# KiCad board RadCheck-SDRAM.kicad_pcb (continued)
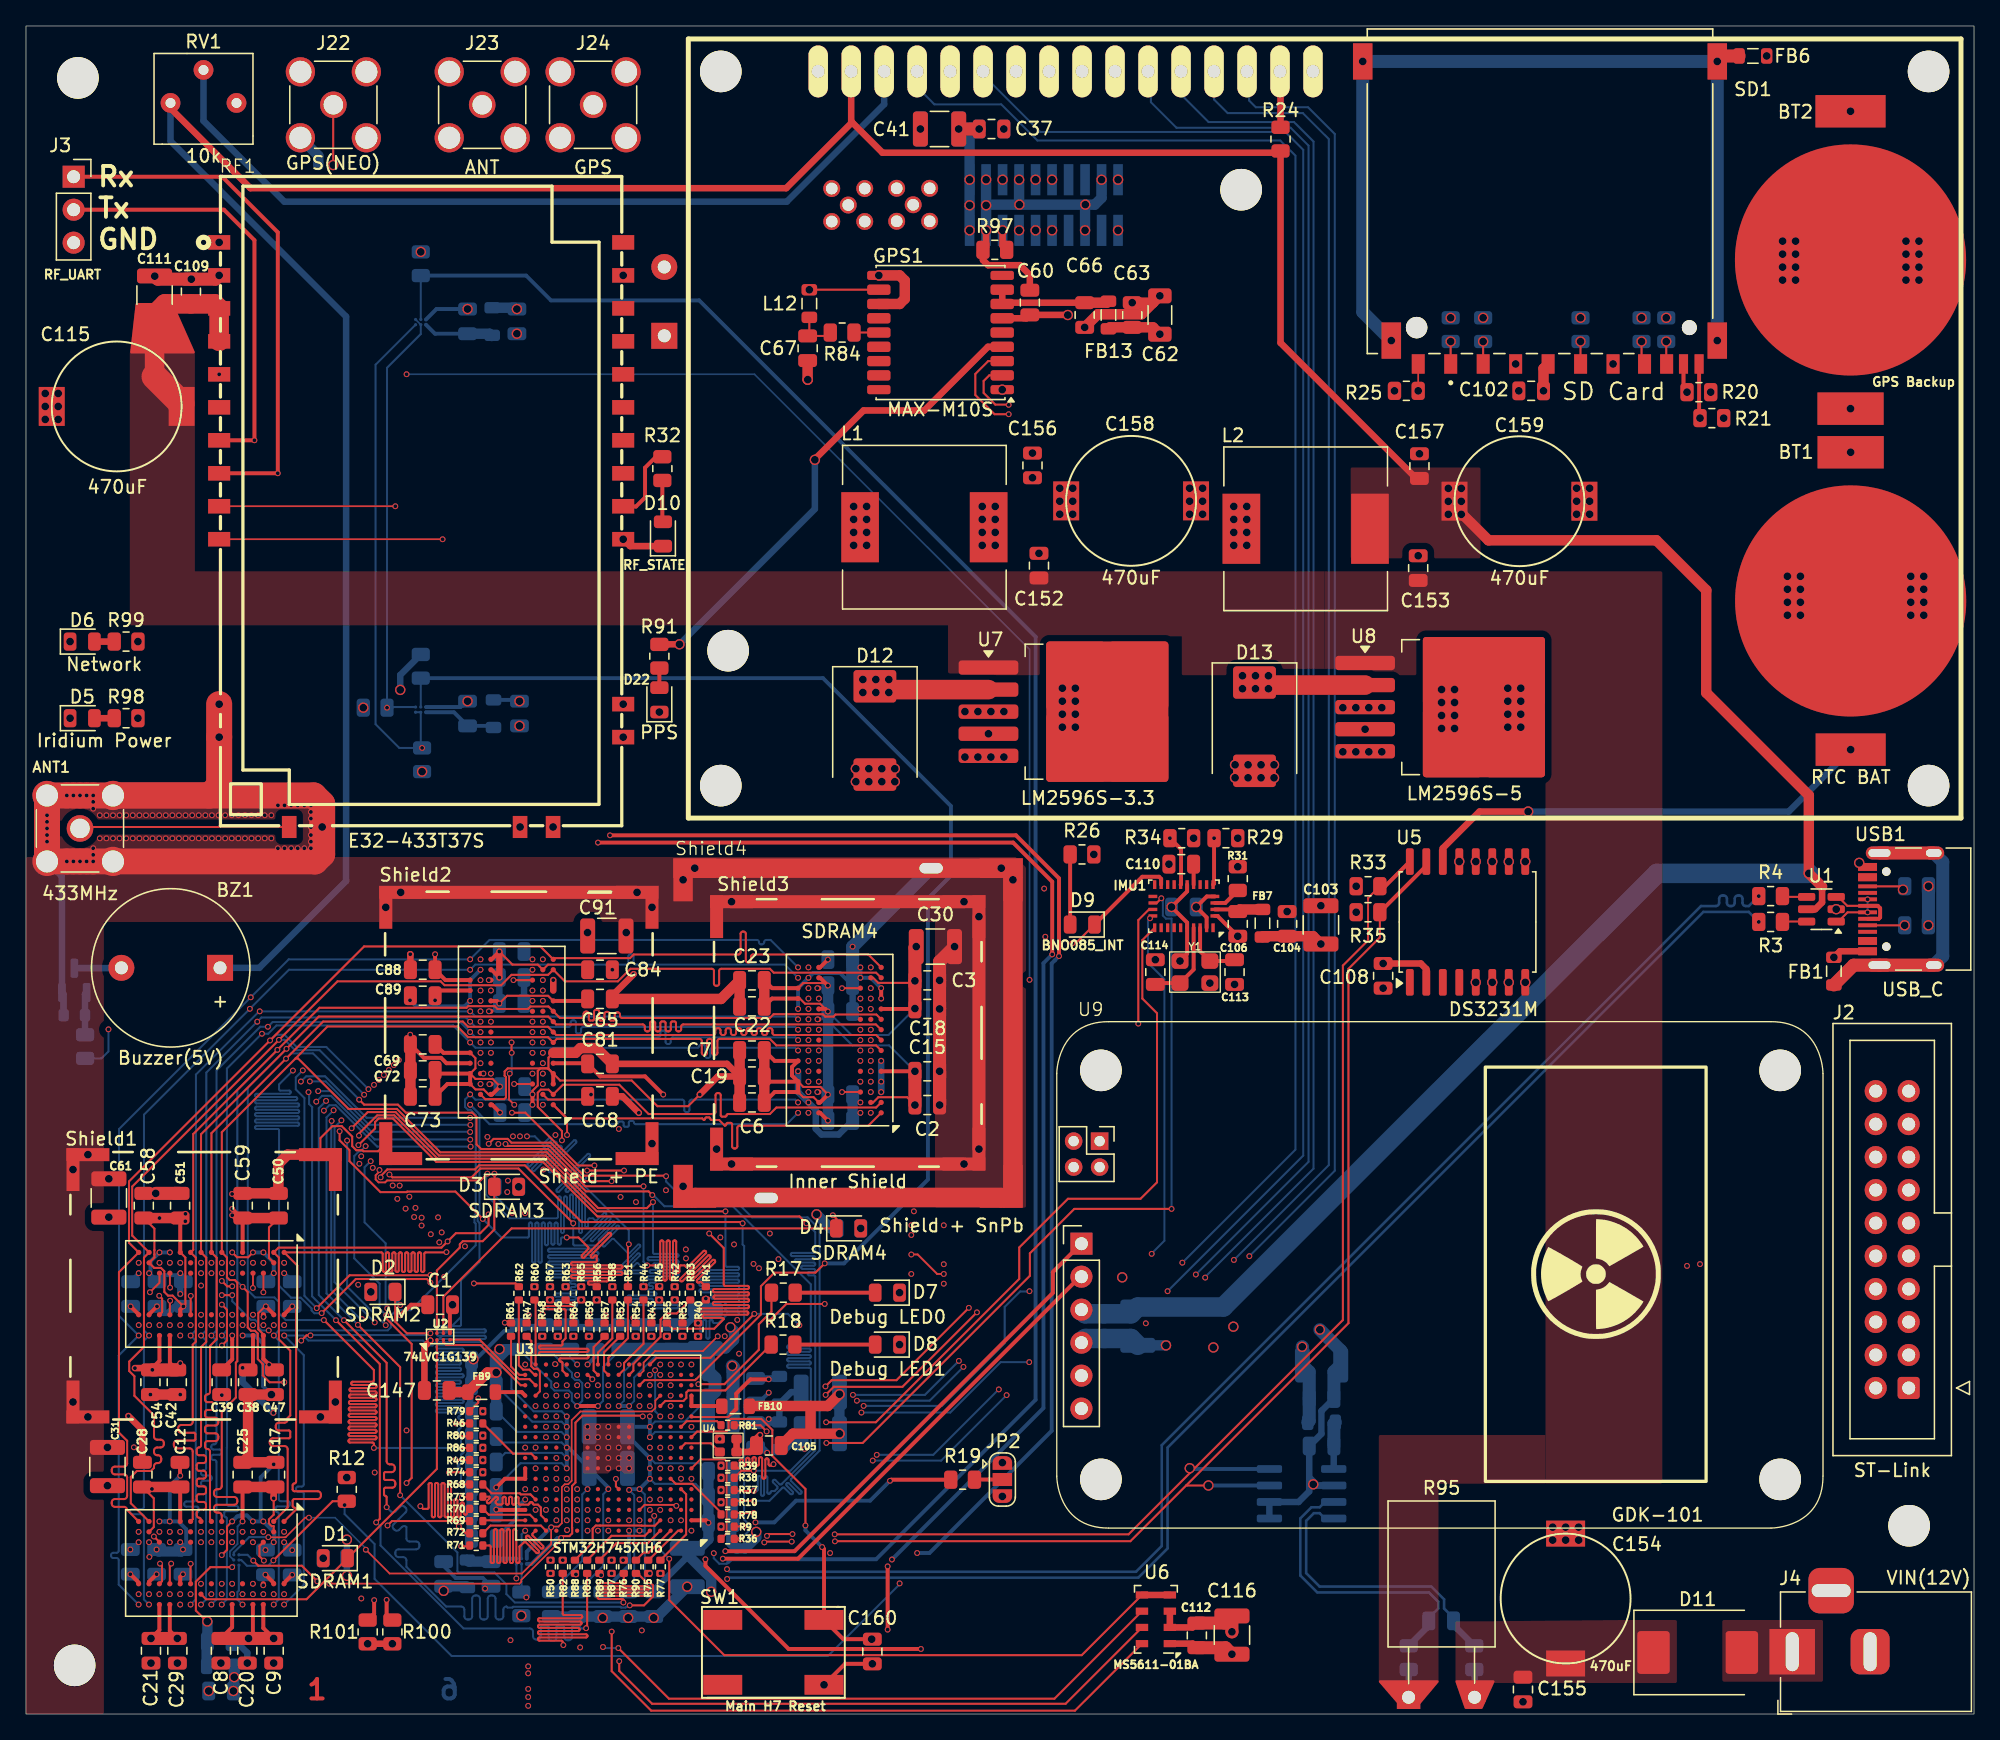
[diagram p0: board, top side]
## Routing (per net, layer and track width the routed paths; a pad name or vN(x,y) marks a point on that pad's centre or on a via; arc(x,y) is an arc through that point) (continued)
  In1.Cu w0.129: 15.46,22.21 15.46,19.89 arc(15.39,19.72) 15.22,19.65 15.2,19.65 arc(15.03,19.58) 14.96,19.41 14.96,19.29 arc(15.03,19.12) 15.2,19.05 15.82,19.05 arc(15.99,18.98) 16.06,18.81 16.06,18.69 arc(15.99,18.52) 15.82,18.45 15.2,18.45 arc(15.03,18.38) 14.96,18.21 14.96,18.09 arc(15.03,17.92) 15.2,17.85 15.82,17.85 arc(15.99,17.78) 16.06,17.61 16.06,17.49 arc(15.99,17.32) 15.82,17.25 15.2,17.25 arc(15.03,17.18) 14.96,17.01 14.96,16.89 arc(15.03,16.72) 15.2,16.65 15.82,16.65 arc(15.99,16.58) 16.06,16.41 16.06,16.29 arc(15.99,16.12) 15.82,16.05 15.2,16.05 arc(15.03,15.98) 14.96,15.81 14.96,15.69 arc(15.03,15.52) 15.2,15.45 15.22,15.45 arc(15.39,15.38) 15.46,15.21 ; 15.46,15.12 15.46,15.13 ; 54.03,50.68 51.26,50.68 arc(51.15,50.73) 51.1,50.84 51.1,51.06 arc(51.06,51.17) 50.94,51.22 50.86,51.22 arc(50.75,51.17) 50.7,51.06 50.7,50.35 arc(50.66,50.23) 50.54,50.19 50.46,50.19 arc(50.35,50.23) 50.3,50.35 50.3,51.06 arc(50.26,51.17) 50.14,51.22 50.06,51.22 arc(49.95,51.17) 49.9,51.06 49.9,50.35 arc(49.86,50.23) 49.74,50.19 49.66,50.19 arc(49.55,50.23) 49.5,50.35 49.5,51.06 arc(49.46,51.17) 49.34,51.22 49.26,51.22 arc(49.15,51.17) 49.1,51.06 49.1,50.84 arc(49.06,50.73) 48.94,50.68
  Bottom w0.157: v1(24.49,30.33) 22.55,32.27 22.55,46.66 v1(23.11,47.21) ; v1(27.77,15.93) 28.1,15.6 arc(28.27,15.53) 28.44,15.6 28.81,15.96 arc(28.98,16.03) 29.15,15.96 29.24,15.88 arc(29.31,15.71) 29.24,15.54 28.3,14.61 arc(28.23,14.44) 28.3,14.27 28.39,14.18 arc(28.56,14.11) 28.73,14.18 28.95,14.41 arc(29.12,14.48) 29.29,14.41 29.29,13.52 arc(29.36,13.35) 29.53,13.28 30.05,13.28 arc(30.22,13.21) 30.29,13.04 30.29,12.92 arc(30.22,12.75) 30.05,12.68 28.68,12.68 arc(28.51,12.61) 28.44,12.44 28.44,12.32 arc(28.51,12.15) 28.68,12.08 29.05,12.08 arc(29.22,12.01) 29.29,11.84 29.29,11.34 32.35,8.28 33.52,8.28 arc(33.69,8.21) 33.76,8.04 33.76,7.52 arc(33.83,7.35) 34,7.28 34.12,7.28 arc(34.29,7.35) 34.36,7.52 34.36,8.89 arc(34.43,9.06) 34.6,9.13 34.72,9.13 arc(34.89,9.06) 34.96,8.89 34.96,7.52 arc(35.03,7.35) 35.2,7.28 35.32,7.28 arc(35.49,7.35) 35.56,7.52 35.56,8.89 arc(35.63,9.06) 35.8,9.13 35.92,9.13 arc(36.09,9.06) 36.16,8.89 36.16,7.52 arc(36.23,7.35) 36.4,7.28 36.52,7.28 arc(36.69,7.35) 36.76,7.52 36.76,8.04 arc(36.83,8.21) 37,8.28 37.08,8.2 37.45,8.2 37.51,8.26 45.78,8.26 45.84,8.2 46.16,8.2 46.22,8.26 46.38,8.26 v1(46.49,8.37)
SDRAM_SDCKE1: length 173.9
  Top w0.157: R85.2 43.21,6.83 43.13,6.75 v1(43.13,6.61) ; v1(23.87,30.33) 27.25,26.95 27.25,15.04 v1(26.96,14.76)
  In1.Cu w0.127: 52.14,53.08 64.67,53.08 v1(65.05,52.7) ; v1(13.47,14.03) 13.1,14.41 13.1,18.53 ; 46.57,53.08 40.04,53.08 v1(39.8,53.32) 39.42,53.7 27.56,53.7 v1(21.75,47.89) 13.48,39.62 v1(13.48,34.75) 13.1,34.37 13.1,24.79
  In1.Cu w0.129: 13.1,24.79 13.1,23.21 arc(13.03,23.04) 12.86,22.97 12.14,22.97 arc(11.97,22.9) 11.9,22.73 11.9,22.61 arc(11.97,22.44) 12.14,22.37 13.29,22.37 arc(13.42,22.31) 13.48,22.18 13.48,21.95 arc(13.42,21.82) 13.29,21.77 12.14,21.77 arc(11.97,21.7) 11.9,21.53 11.9,21.41 arc(11.97,21.24) 12.14,21.17 12.86,21.17 arc(13.03,21.1) 13.1,20.93 13.1,20.81 arc(13.03,20.64) 12.86,20.57 12.17,20.57 arc(12,20.5) 11.93,20.33 11.93,20.21 arc(12,20.04) 12.17,19.97 13.27,19.97 arc(13.39,19.91) 13.45,19.79 13.45,19.54 arc(13.39,19.42) 13.27,19.37 12.17,19.37 arc(12,19.3) 11.93,19.13 11.93,19.01 arc(12,18.84) 12.17,18.77 12.86,18.77 arc(13.03,18.7) 13.1,18.53 ; 46.57,53.08 46.87,53.08 arc(46.99,53.13) 47.03,53.24 47.03,54.27 arc(47.08,54.38) 47.19,54.43 47.27,54.43 arc(47.39,54.38) 47.43,54.27 47.43,52.69 arc(47.48,52.58) 47.59,52.53 47.67,52.53 arc(47.79,52.58) 47.83,52.69 47.83,54.27 arc(47.88,54.38) 47.99,54.43 48.07,54.43 arc(48.19,54.38) 48.23,54.27 48.23,52.69 arc(48.28,52.58) 48.39,52.53 48.47,52.53 arc(48.59,52.58) 48.63,52.69 48.63,52.92 arc(48.68,53.03) 48.79,53.08 50.22,53.08 arc(50.34,53.13) 50.38,53.24 50.38,53.95 arc(50.43,54.07) 50.54,54.11 50.62,54.11 arc(50.74,54.07) 50.78,53.95 50.78,52.97 arc(50.81,52.9) 50.89,52.87 51.08,52.87 arc(51.15,52.9) 51.18,52.97 51.18,53.95 arc(51.23,54.07) 51.34,54.11 51.42,54.11 arc(51.54,54.07) 51.58,53.95 51.58,53.8 arc(51.54,53.69) 51.42,53.64 49.74,53.64 arc(49.63,53.59) 49.58,53.48 49.58,53.4 arc(49.63,53.29) 49.74,53.24 51.42,53.24 arc(51.54,53.19) 51.58,53.08 51.58,52.98 arc(51.61,52.91) 51.68,52.88 51.94,52.88 arc(52.01,52.91) 52.04,52.98 arc(52.07,53.05) 52.14,53.08
  Bottom w0.157: v1(23.87,30.33) 22.03,32.17 22.03,46.73 22.04,46.74 21.8,46.98 21.8,47.85 v1(21.75,47.89) ; v1(26.96,14.76) 27.3,14.42 27.3,12.98 33.69,6.59 38.8,6.59 arc(38.97,6.52) 39.04,6.35 39.04,5.98 arc(39.11,5.81) 39.28,5.74 39.4,5.74 arc(39.57,5.81) 39.64,5.98 39.64,6.69 arc(39.67,6.76) 39.74,6.79 40.14,6.79 arc(40.21,6.76) 40.24,6.69 40.24,5.87 arc(40.31,5.7) 40.48,5.63 40.6,5.63 arc(40.77,5.7) 40.84,5.87 40.84,6.69 arc(40.87,6.76) 40.94,6.79 41.34,6.79 arc(41.41,6.76) 41.44,6.69 41.44,5.92 arc(41.51,5.75) 41.68,5.68 41.8,5.68 arc(41.97,5.75) 42.04,5.92 42.04,6.69 arc(42.07,6.76) 42.14,6.79 42.57,6.79 arc(42.64,6.76) 42.67,6.69 arc(42.7,6.62) 42.77,6.59 43.11,6.59 v1(43.13,6.61)
SDRAM_SDCLK: length 182.2
  Top w0.157: v1(22.94,30.34) 26.79,26.49 26.79,25.69 arc(26.76,25.62) 26.69,25.59 25.15,25.59 arc(25.08,25.56) 25.05,25.49 25.05,25.44 arc(25.08,25.37) 25.15,25.34 26.89,25.34 arc(26.96,25.32) 26.99,25.25 26.99,25.2 arc(26.96,25.13) 26.89,25.1 25.02,25.1 arc(24.95,25.07) 24.92,25 24.92,24.95 arc(24.95,24.88) 25.02,24.85 26.89,24.85 arc(26.96,24.82) 26.99,24.75 26.99,24.7 arc(26.96,24.63) 26.89,24.61 24.98,24.61 arc(24.92,24.58) 24.89,24.51 24.89,24.46 arc(24.92,24.39) 24.98,24.36 26.89,24.36 arc(26.96,24.33) 26.99,24.26 26.99,24.21 arc(26.96,24.14) 26.89,24.11 24.97,24.11 arc(24.9,24.08) 24.87,24.01 24.87,23.96 arc(24.9,23.89) 24.97,23.87 26.89,23.87 arc(26.96,23.84) 26.99,23.77 26.99,23.72 arc(26.96,23.65) 26.89,23.62 24.96,23.62 arc(24.89,23.59) 24.86,23.52 24.86,23.47 arc(24.89,23.4) 24.96,23.37 26.89,23.37 arc(26.96,23.34) 26.99,23.27 26.99,23.23 arc(26.96,23.16) 26.89,23.13 24.95,23.13 arc(24.88,23.1) 24.85,23.03 24.85,22.98 arc(24.88,22.91) 24.95,22.88 26.89,22.88 arc(26.96,22.85) 26.99,22.78 26.99,22.73 arc(26.96,22.66) 26.89,22.63 24.95,22.63 arc(24.88,22.6) 24.85,22.53 24.85,22.49 arc(24.88,22.42) 24.95,22.39 26.89,22.39 arc(26.96,22.36) 26.99,22.29 26.99,22.24 arc(26.96,22.17) 26.89,22.14 24.94,22.14 arc(24.87,22.11) 24.84,22.04 24.84,21.99 arc(24.87,21.92) 24.94,21.89 26.89,21.89 arc(26.96,21.87) 26.99,21.8 26.99,21.75 arc(26.96,21.68) 26.89,21.65 24.94,21.65 arc(24.87,21.62) 24.84,21.55 24.84,21.5 arc(24.87,21.43) 24.94,21.4 26.89,21.4 arc(26.96,21.37) 26.99,21.3 26.99,21.25 arc(26.96,21.18) 26.89,21.15 24.94,21.15 arc(24.87,21.13) 24.84,21.06 24.84,21.01 arc(24.87,20.94) 24.94,20.91 26.69,20.91 arc(26.76,20.88) 26.79,20.81 v1(26.79,20.49) ; 13.48,14.84 13.48,14.96 arc(13.43,15.07) 13.32,15.12 arc(13.2,15.17) 13.15,15.28 13.15,15.57 arc(13.2,15.68) 13.32,15.73 13.67,15.73 arc(13.81,15.79) 13.86,15.92 13.86,16.14 arc(13.81,16.27) 13.67,16.33 13.31,16.33 arc(13.2,16.38) 13.15,16.5 13.15,16.77 arc(13.2,16.88) 13.31,16.93 13.67,16.93 arc(13.81,16.99) 13.86,17.12 13.86,17.34 arc(13.81,17.47) 13.67,17.53 13.31,17.53 arc(13.2,17.58) 13.15,17.7 13.15,17.97 arc(13.2,18.08) 13.31,18.13 13.67,18.13 arc(13.81,18.19) 13.86,18.32 13.86,18.54 arc(13.81,18.67) 13.67,18.73 13.31,18.73 arc(13.2,18.78) 13.15,18.9 13.15,19.17 arc(13.2,19.28) 13.31,19.33 13.67,19.33 arc(13.81,19.39) 13.86,19.52 13.86,19.74 arc(13.81,19.87) 13.67,19.93 13.32,19.93 arc(13.2,19.98) 13.15,20.09 13.15,20.37 arc(13.2,20.48) 13.32,20.53 arc(13.43,20.58) 13.48,20.69 13.48,28.26 13.88,28.66 13.88,35.15 SDRAM2.J1 13.48,44.65 v1(20.06,51.23) 22.54,53.71 40.21,53.71 SDRAM3.J1 40.81,53.11 47.49,53.11 arc(47.6,53.06) 47.65,52.95 47.65,52.73 arc(47.7,52.62) 47.81,52.57 47.89,52.57 arc(48,52.62) 48.05,52.73 48.05,53.22 arc(48.08,53.3) 48.16,53.33 48.34,53.33 arc(48.42,53.3) 48.45,53.22 48.45,52.73 arc(48.5,52.62) 48.61,52.57 48.69,52.57 arc(48.8,52.62) 48.85,52.73 48.85,53.22 arc(48.88,53.3) 48.96,53.33 49.14,53.33 arc(49.22,53.3) 49.25,53.22 49.25,52.73 arc(49.3,52.62) 49.41,52.57 49.49,52.57 arc(49.6,52.62) 49.65,52.73 49.65,53.22 arc(49.68,53.3) 49.76,53.33 49.94,53.33 arc(50.02,53.3) 50.05,53.22 50.05,52.73 arc(50.1,52.62) 50.21,52.57 50.29,52.57 arc(50.4,52.62) 50.45,52.73 50.45,52.95 arc(50.5,53.06) 50.61,53.11 65.44,53.11 SDRAM4.J1 ; v1(33.1,20.49) 34.15,20.49
  Bottom w0.157: v1(26.79,20.49) v1(33.1,20.49) ; v1(22.94,30.34) 20,30.34 19.49,30.85 19.49,31.72 19.12,32.09 17.64,32.09 17.08,32.65 17.08,48.25 v1(20.06,51.23)
SDRAM_SDNCAS: length 173.4
  Top w0.157: v1(12.68,11.57) 12.67,11.57 SDRAM1.K7 ; 41.33,10.75 41.33,7.72 arc(41.36,7.65) 41.43,7.62 42.73,7.62 arc(42.8,7.59) 42.83,7.52 42.83,7.47 arc(42.8,7.4) 42.73,7.37 39.53,7.37 arc(39.46,7.35) 39.43,7.28 39.43,7.23 arc(39.46,7.16) 39.53,7.13 42.68,7.13 arc(42.75,7.1) 42.78,7.03 42.78,6.98 arc(42.75,6.91) 42.68,6.88 39.53,6.88 arc(39.46,6.85) 39.43,6.78 39.43,6.73 arc(39.46,6.66) 39.53,6.63 42.53,6.63 arc(42.6,6.61) 42.63,6.54 42.63,6.49 arc(42.6,6.42) 42.53,6.39 39.53,6.39 arc(39.46,6.36) 39.43,6.29 39.43,6.24 arc(39.46,6.17) 39.53,6.14 43.13,6.14 arc(43.2,6.11) 43.23,6.04 43.23,5.99 arc(43.2,5.92) 43.13,5.9 39.53,5.9 arc(39.46,5.87) 39.43,5.8 39.43,5.75 arc(39.46,5.68) 39.53,5.65 41.23,5.65 arc(41.3,5.62) 41.33,5.55 41.33,5.36 v1(41.38,5.31) ; v1(12.69,32.2) 12.68,32.2 SDRAM2.K7 ; SDRAM3.K7 v1(35.65,54.12)
  In3.Cu w0.142: v1(60.95,53.5) 60.56,53.89 53.24,53.89 arc(53.13,53.84) 53.08,53.73 53.08,53.63 arc(53.04,53.52) 52.92,53.47 52.84,53.47 arc(52.73,53.52) 52.68,53.63 52.68,54.94 arc(52.64,55.05) 52.52,55.1 52.44,55.1 arc(52.33,55.05) 52.28,54.94 52.28,53.63 arc(52.24,53.52) 52.12,53.47 52.04,53.47 arc(51.93,53.52) 51.88,53.63 51.88,53.73 arc(51.84,53.84) 51.72,53.89 35.88,53.89 v1(35.65,54.12) 35.26,54.51 34.05,54.51 32.99,53.45 32.99,49.03 v1(26.54,42.58) 18.67,34.7 18.67,34.59 18.44,34.36 13.35,34.36 12.69,33.7 v1(12.69,32.2) 12.69,31.07 12.29,30.68 12.29,25.02 13.07,24.25 13.07,17.18 arc(13.02,17.07) 12.91,17.02 11.95,17.02 arc(11.84,16.97) 11.79,16.86 11.79,16.78 arc(11.84,16.67) 11.95,16.62 12.91,16.62 arc(13.02,16.57) 13.07,16.46 13.07,11.96 v1(12.68,11.57)
  In4.Cu w0.129: v1(41.38,5.31) 34.05,5.31 26.38,12.98 26.38,30.22 27.39,31.24 v1(27.82,31.24)
  Bottom w0.157: v1(26.54,42.58) 26.07,42.11 26.07,37.87 27.7,36.24 27.7,31.36 v1(27.82,31.24)
SDRAM_SDNRAS: length 135.8
  In1.Cu w0.127: v1(27.56,49.22) 30.25,46.53 34.85,46.53 35.75,45.63 35.75,44.84 36.1,44.49 v1(37.5,44.49)
  In2.Cu w0.127: v1(37.5,44.49) 37.5,43.69 37.65,43.54 38.76,43.54 40.21,42.09 40.21,41.33 48.1,33.44 50.62,33.44 v1(51.15,32.91)
  In3.Cu w0.142: v1(27.56,49.22) 23.46,53.32 v1(17.81,53.32)
  Bottom w0.157: v1(13.47,8.43) 13.87,8.83 13.87,17.41 arc(13.82,17.52) 13.71,17.57 13.64,17.57 arc(13.53,17.62) 13.48,17.73 13.48,17.81 arc(13.53,17.92) 13.64,17.97 14.14,17.97 arc(14.25,18.02) 14.3,18.13 14.3,18.21 arc(14.25,18.32) 14.14,18.37 13.64,18.37 arc(13.53,18.42) 13.48,18.53 13.48,18.61 arc(13.53,18.72) 13.64,18.77 13.71,18.77 arc(13.82,18.82) 13.87,18.93 13.87,28.76 v1(13.48,29.15) 13.89,29.56 13.89,49.4 v1(17.81,53.32) 18.13,53.64 33.88,53.64 v1(34.2,53.32) 34.61,52.91 41.78,52.91 arc(41.9,52.96) 41.94,53.07 41.94,53.27 arc(41.99,53.38) 42.1,53.43 42.18,53.43 arc(42.3,53.38) 42.34,53.27 42.34,52.56 arc(42.39,52.45) 42.5,52.4 42.58,52.4 arc(42.7,52.45) 42.74,52.56 42.74,52.75 arc(42.79,52.87) 42.9,52.91 59.24,52.91 v1(59.45,52.7)
SDRAM_SDNWE: length 173.3
  Top w0.157: v1(57.03,21.77) 56.55,22.24 R81.2
  In3.Cu w0.142: v1(29.23,38.92) 29.78,39.47 30.34,39.47 30.62,39.2 46.66,39.2 46.81,39.04 48.93,39.04 49.13,39.24 56.78,31.59 56.78,28.58 arc(56.76,28.52) 56.69,28.49 55.68,28.49 arc(55.62,28.46) 55.59,28.4 55.59,28.35 arc(55.62,28.28) 55.68,28.26 57.19,28.26 arc(57.25,28.23) 57.28,28.16 57.28,28.12 arc(57.25,28.05) 57.19,28.02 55.68,28.02 arc(55.62,28) 55.59,27.93 55.59,27.88 arc(55.62,27.82) 55.68,27.79 57.19,27.79 arc(57.25,27.76) 57.28,27.7 57.28,27.65 arc(57.25,27.59) 57.19,27.56 55.68,27.56 arc(55.62,27.53) 55.59,27.47 55.59,27.42 arc(55.62,27.35) 55.68,27.33 57.19,27.33 arc(57.25,27.3) 57.28,27.23 57.28,27.19 arc(57.25,27.12) 57.19,27.09 55.68,27.09 arc(55.62,27.07) 55.59,27 55.59,26.95 arc(55.62,26.89) 55.68,26.86 57.19,26.86 arc(57.25,26.83) 57.28,26.77 57.28,26.72 arc(57.25,26.66) 57.19,26.63 55.68,26.63 arc(55.62,26.6) 55.59,26.54 55.59,26.49 arc(55.62,26.42) 55.68,26.4 57.19,26.4 arc(57.25,26.37) 57.28,26.3 57.28,26.26 arc(57.25,26.19) 57.19,26.16 55.68,26.16 arc(55.62,26.14) 55.59,26.07 55.59,26.02 arc(55.62,25.96) 55.68,25.93 56.69,25.93 arc(56.76,25.9) 56.78,25.84 56.78,25.79 arc(56.76,25.73) 56.69,25.7 55.68,25.7 arc(55.62,25.67) 55.59,25.61 55.59,25.56 arc(55.62,25.49) 55.68,25.47 56.89,25.47 arc(56.96,25.44) 56.98,25.37 56.98,25.33 arc(56.96,25.26) 56.89,25.23 55.68,25.23 arc(55.61,25.21) 55.58,25.14 55.58,25.09 arc(55.61,25.03) 55.68,25 56.69,25 arc(56.76,24.97) 56.78,24.91 56.78,24.86 arc(56.76,24.8) 56.69,24.77 55.68,24.77 arc(55.61,24.74) 55.58,24.68 55.58,24.63 arc(55.61,24.56) 55.68,24.54 56.69,24.54 arc(56.76,24.51) 56.78,24.44 56.78,24.4 arc(56.76,24.33) 56.69,24.3 55.68,24.3 arc(55.61,24.28) 55.58,24.21 55.58,24.16 arc(55.61,24.1) 55.68,24.07 57.19,24.07 arc(57.26,24.04) 57.28,23.98 57.28,23.93 arc(57.26,23.87) 57.19,23.84 55.68,23.84 arc(55.61,23.81) 55.58,23.75 55.58,23.7 arc(55.61,23.63) 55.68,23.61 57.19,23.61 arc(57.26,23.58) 57.28,23.51 57.28,23.47 arc(57.26,23.4) 57.19,23.37 55.68,23.37 arc(55.61,23.35) 55.58,23.28 55.58,23.23 arc(55.61,23.17) 55.68,23.14 56.69,23.14 arc(56.76,23.11) 56.78,23.05 56.78,23 arc(56.76,22.94) 56.69,22.91 55.68,22.91 arc(55.61,22.88) 55.58,22.82 55.58,22.77 arc(55.61,22.7) 55.68,22.68 56.69,22.68 arc(56.76,22.65) 56.78,22.58 56.78,22.54 arc(56.76,22.47) 56.69,22.44 55.68,22.44 arc(55.61,22.42) 55.58,22.35 55.58,22.3 arc(55.61,22.24) 55.68,22.21 56.69,22.21 arc(56.76,22.18) 56.78,22.12 56.78,22.01 v1(57.03,21.77)
  In4.Cu w0.129: v1(12.67,9.23) 13.06,9.62 13.06,20.96 arc(13.03,21.03) 12.96,21.06 arc(12.89,21.09) 12.86,21.16 12.86,21.42 arc(12.89,21.49) 12.96,21.52 13.37,21.52 arc(13.48,21.57) 13.53,21.68 13.53,21.76 arc(13.48,21.87) 13.37,21.92 12.96,21.92 arc(12.89,21.95) 12.86,22.02 12.86,22.22 arc(12.89,22.29) 12.96,22.32 13.36,22.32 arc(13.48,22.37) 13.52,22.48 13.52,22.56 arc(13.48,22.67) 13.36,22.72 13.22,22.72 arc(13.11,22.77) 13.06,22.88 13.06,29.57 v1(12.68,29.95) 12.68,31.67 12.83,31.82 12.84,31.82 13.9,32.88 13.9,34.11 14.12,34.33 14.44,34.33 14.7,34.59 14.7,34.91 15.72,35.93 16.04,35.93 16.26,35.71 16.48,35.71 17.36,36.59 26.9,36.59 v1(29.23,38.92) 32.72,42.41 32.72,50.59 33.6,51.47 33.6,53.26 34.04,53.7 34.58,53.7 v1(35,54.12) 35.38,53.74 35.84,53.74 35.98,53.88 51.7,53.88 arc(51.77,53.91) 51.8,53.98 arc(51.83,54.05) 51.9,54.08 52.16,54.08 arc(52.23,54.05) 52.26,53.98 52.26,53.19 arc(52.31,53.07) 52.42,53.03 52.5,53.03 arc(52.61,53.07) 52.66,53.19 52.66,53.72 arc(52.71,53.83) 52.82,53.88 59.87,53.88 v1(60.25,53.5)
SDRAM_TEMP_INT: length 95.4
  Top w0.157: v1(19.05,11.83) 23.61,16.39 R12.2
  In4.Cu w0.157: v1(67.27,10.06) 67.27,21.54 62.64,26.17 51.98,26.17 51.53,25.71 48.45,25.71 v1(48.04,26.12)
  Bottom w0.157: v1(67.27,10.06) 67.27,9.99 61.75,4.47 32.78,4.47 26.84,10.41 26.84,13.09 24.53,15.4 v1(24.53,16.09) ; v1(19.05,11.83) 18.64,11.42 17.02,11.42 16.58,11.86 Temp2.B1
SHIELD_GND: length 73.1
  Top w1: v2(130.23,127.27) 130.65,127.69 FB6.1
  Bottom w1: v2(130.23,105.77) v2(130.23,127.27) v2(102.93,127.27) 102.93,107.97 v2(105.13,105.77)
ST-Link_Reset: length 148.1
  Top w0.157: v1(60.02,14.52) 60.02,17.33 57.47,19.88 57.47,21.88 56.62,22.73 54.28,22.73 54.1,22.55 54.1,21.93 53.93,21.75 51.67,21.75 U3.K1
  Top w0.3: v1(61.3,12.86) 61.45,12.71 SW1.1 62.93,5.77 v2(65.12,5.77)
  In3.Cu w0.3: J2.15 147.5,40.36 147.5,23.19 145.35,21.04 106.99,21.04 103.57,17.62 103.57,8.03 96.4,0.86 70.08,0.86 C160.1
  Bottom w0.3: v1(61.3,12.86) 60.02,14.14 v1(60.02,14.52)
ST-Link_SWCLK: length 141.6
  Top w0.3: v1(66.35,11.37) v1(66.35,6.5)
  In3.Cu w0.3: J2.9 146.47,33.77 146.47,23.36 145.3,22.19 105.72,22.19 102.09,18.56 102.09,8.17 95.94,2.02 70.77,2.02 66.35,6.44 v1(66.35,6.5)
  In4.Cu w0.127: v1(66.35,11.37) 66.18,11.54 51.51,11.54 49.6,13.45 41.85,13.45 40.84,14.46 v1(40.84,14.92)
ST-Link_SWDIO: length 129.5
  Top w0.3: v1(52.32,11.92) 52.32,11.41 58.72,5.01 v1(68.91,5.01)
  In3.Cu w0.3: J2.7 143.7,31.46 139.86,31.46 131.77,23.37 104.86,23.37 100.23,18.74 100.23,8.4 94.83,3 70.92,3 v1(68.91,5.01)
  In4.Cu w0.127: v1(40.04,15.72) 40.46,15.3 41.8,15.3 42.06,15.03 42.06,13.92 42.31,13.67 50.56,13.67 v1(52.32,11.92)
VO: length 64.5
  Bottom w0.5: DS1.3 66.08,123.97 58.58,116.47 19.89,116.47 13.67,122.69 RV1.2
Net-(ANT1-In): length 16
  Top w0.157: RF1.13 4.27,68.31
Net-(BT1-+): length 58.5
  Top w0.5: v2(115.67,69.5) 111.92,69.5 109.09,66.67 U5.14
  In3.Cu w0.5: v2(140.5,74.27) v2(140.5,97.17)
  Bottom w0.5: v2(115.67,69.5) 135.73,69.5 v2(140.5,74.27)
Net-(BZ1-+): length 3.6
  Bottom w0.5: Q1.3 7.32,57.44
Net-(C67-Pad1): length 2.8
  Top w0.157: C67.1 61.67,106.13 ; L12.1 60.32,106.26
Net-(C123-Pad2): length 1.4
  Bottom w0.3: v1(43.24,26.92) 43.84,27.52 C123.2
Net-(C127-Pad2): length 3.9
  Bottom w0.3: C127.2 37.76,15.07 37.76,15.84 v1(38.44,16.52)
Net-(C132-Pad2): length 5.6
  Bottom w0.3: C132.2 46.44,11.44 v1(46.44,14.12)
Net-(D1-A):
  vias: v2(22.89,12)
Net-(D2-A):
  vias: v2(26.55,32.51)
Net-(D3-A):
  vias: v2(37.94,40.6)
Net-(D4-A):
  vias: v2(64.27,37.4)
Net-(D5-A): length 1.5
  Top w0.5: D5.2 R98.1
Net-(D6-A): length 1.5
  Top w0.5: D6.2 R99.1
Net-(D7-A): length 6.2
  Top w0.3: R17.2 D7.2
Net-(D8-A): length 6.2
  Top w0.3: D8.2 R18.2
Net-(D9-A): length 5.4
  Top w0.3: D9.2 R26.2
Net-(D10-A): length 3.1
  Top w0.3: R32.2 49,91.86
Net-(D11-K): length 2
  Bottom w0.5: 111.55,1.38 111.55,3.4
Net-(D12-K): length 8.5
  Top w1.5: U7.2 65.62,78.89
  vias: v2(63.73,93) v2(63.73,92) v2(63.73,91) v2(63.73,90) v2(64.44,79.67) v2(64.44,78.67) v2(64.73,93) v2(64.73,92) v2(64.73,91) v2(64.73,90) v2(65.44,79.67) v2(65.44,78.67) v2(66.44,79.67) v2(66.44,78.67)
Net-(D13-K): length 8.3
  Top w1.5: U8.2 94.79,79.24
  vias: v2(93,93) v2(93,92) v2(93,91) v2(93,90) v2(93.67,79.96) v2(93.67,78.96) v2(94,93) v2(94,92) v2(94,91) v2(94,90) v2(94.67,79.96) v2(94.67,78.96) v2(95.67,79.96) v2(95.67,78.96)
Net-(D21-A2): length 55.8
  Top w0.157: v2(23.65,119.29) 23.65,123.91 ; GPS1.11 60.33,109.69
  In1.Cu w0.138: v2(60.32,109.68) 24.65,109.68 arc(23.95,109.98) 23.65,110.68 v2(23.65,119.29)
Net-(D22-A): length 1.5
  Top w0.3: D22.2 R91.2
Net-(DS1-LED(+)): length 4.3
  Top w0.5: R24.1 96.6,126.46
Net-(GPS1-VCC): length 9.2
  Top w0.5: GPS1.7 GPS1.8 ; C66.2 75.27,108.69
  Top w0.8: C66.2 83.24,108.69 FB13.2
Net-(GPS1-VCC_RF): length 1.9
  Top w0.157: R84.1 GPS1.14
Net-(IMU1-BOOTN): length 2.2
  Top w0.3: R31.1 92.35,62.46 IMU1.4
Net-(IMU1-CAP): length 1.6
  Top w0.3: IMU1.9 C110.2
Net-(IMU1-VDD): length 5.3
  Top w0.3: IMU1.3 93.15,61.96 ; C106.1 95.06,61.8
  Top w0.8: FB7.2 93.47,61.96 C106.1
Net-(IMU1-XIN32): length 4.7
  Top w0.3: IMU1.27 90.41,58.74 Y1.3 92.96,57.99
Net-(IMU1-XOUT32/CLKSEL1): length 6.5
  Top w0.3: IMU1.26 89.91,57.34 Y1.1 87.06,56.29
Net-(J23-In): length 35.5
  In1.Cu w0.138: SBD1.22 36.13,116.21 arc(35.42,116.5) 35.13,117.21 J23.1
Net-(J24-In): length 31.5
  In1.Cu w0.138: SBD1.21 68.31,118 arc(68.02,118.71) 67.31,119 44.67,119 arc(43.96,119.29) 43.67,120 J24.1
Net-(JP2-C): length 2.1
  Top w0.3: JP2.2 73.05,18.06
Net-(Q1-G): length 3.3
  Bottom w0.5: Q1.1 4.55,55.44 R93.2 ; R92.2 4.55,53.81
Net-(R3-Pad1): length 1.8
  Top w0.157: U1.6 135.28,61.03
Net-(R4-Pad1): length 1.8
  Top w0.157: U1.4 135.31,62.93
Net-(Temp1-VDD): length 3.6
  Bottom w0.3: Temp1.A2 36.04,11.96
  Bottom w0.8: C94.1 34.11,11.74 FB2.2
Net-(Temp2-VDD): length 10.3
  Top w0.157: v2(13.96,7.13) 13.92,7.13 13.08,7.97 13.08,10.19 14.2,11.31 v1(15.87,11.31)
  Bottom w0.157: v1(15.87,11.31) 15.87,11.33 Temp2.A2
  Bottom w0.8: C95.1 13.97,7.08 13.96,7.09 v2(13.96,7.13) ; FB3.2 13.91,5.51
Net-(Temp3-VDD): length 5.5
  Bottom w0.3: 35.88,76.1 C98.1 32.95,77.15 Temp3.A2
Net-(Temp4-VDD): length 5.4
  Bottom w0.3: C99.1 31.5,106.3 Temp4.A2
  Bottom w0.8: 35.87,106.12 35.69,106.3 C99.1
Net-(U3C-VDDSI): length 2.4
  Top w0.3: U3.P17 38.17,24.79 FB9.1
Net-(U3C-VREF+): length 9.5
  Top w0.157: 54.35,23.15 54.07,22.87 51.29,22.87 ; 51.28,22.88 51.3,22.86
  Top w0.3: v1(57.19,25.78) 55.79,25.78 54.69,24.68 54.69,23.49 54.35,23.15
  Bottom w0.5: C128.1 57.86,25.84
Net-(U3C-VREF-): length 3.1
  Top w0.3: 53.53,23.72 U3.N1 U3.P1
Net-(U10-VS): length 3.6
  Bottom w0.5: U10.5 100.69,20.62
  Bottom w1: FB12.1 100.71,22.36 C52.1
Net-(USB1-CC1): length 2.9
  Top w0.157: USB1.A5 v2(144.66,60.74)
Net-(USB1-CC2): length 2.8
  Top w0.157: USB1.B5 144.28,63.74 v2(144.53,63.49)
Net-(USB1-SHIELD): length 21.7
  Top w1: USB1.S1 USB1.S1 ; FB1.1 140.73,57.67 USB1.S1 USB1.S1
  Bottom w1: USB1.S1 147.59,58.36 147.59,65.62 USB1.S1

## Copper pours and planes (outline as drawn; the poured copper is in the pictures)
+3.3V on In2.Cu: 0,0 150,0 150,130 0,130
+3.3V on In2.Cu: 150,0 0,0 0,130 150,130
+5V on Top: 102,89 102,96 112,96 112,89
+5V on In2.Cu: 47.67,104.39 73.17,104.39 73.17,119.89 71.17,119.89 71.17,108.62 47.67,108.62
+5V on In2.Cu: 108.67,87.89 52.17,87.89 52.17,104.39 47.67,104.39 47.67,83.89 112.17,83.89 112.17,95.39 108.67,95.39
+12V on Top (solid shape): 8.12,104.88 8.54,108.56 11.26,108.56 12.9,104.88
+12V on Top (solid shape): 106,0.5 107,0.5 108.67,2.5 104.27,2.5
+12V on Top: 108.77,17.74 117,17.74 117,21.49 104.17,21.49 104.17,2.39 108.77,2.39
+12V on Top: 126,17.74 117,17.74 117,83 108,83 108,80 100,80 100,88 126,88
+12V on Top: 100,88 71,88 71,80 80,80 80,83 89,83 89,80 100,80
+12V on Top: 71,88 13,88 13,105 8,105 8,83.84 71,83.84
GND on Top: 2.55,69.94 2.55,66.44 22.05,66.44 22.05,69.94
GND on Top: 46.84,18.52 42.84,18.52 42.84,22.52 46.84,22.52
GND on Top: 0,0 0,66 77,66 77,39 70,39 70,61 6,61 6,0
GND on In1.Cu, In4.Cu: 0,0 150,0 150,130 0,130
Net-(D11-A) on Top: 130.62,7.24 130.62,2.49 138.37,2.49 138.37,7.24
Net-(D11-K) on Top (solid shape): 110.87,0.49 112.07,0.49 112.97,2.5 110.17,2.5
Net-(D11-K) on Top: 127.12,2.39 110.07,2.39 110.07,7.14 112.37,7.14 123.2,7.24 127.12,7.24
Net-(D12-K) on In3.Cu: 67,78 63,78 63,94 67,94
Net-(D13-K) on In3.Cu: 97,78 92,78 92,94 97,94

## Text on the board
Bottom: 6
B.Silkscreen: Ver 2.0 | by jmh8231 | 2025,06,03 | RadCheck SDRAM
Top: 1
F.Silkscreen: Rx / Tx / GND
In1.Cu: 2
In2.Cu: 3
In3.Cu: 4
In4.Cu: 5
User.1: F.Silkscreen | F.Paste | F.Mask | F.Cu | 유전체 | In1.Cu | In2.Cu | In3.Cu | In4.Cu | B.Cu | B.Mask | B.Paste | B.Silkscreen | Top Silk Screen | Top Solder Paste | Top Solder Mask | copper | prepreg | core | Bottom Solder Mask | Bottom Solder Paste | Bottom Silk Screen | Not specified | FR4 | 0 mm | 0.03048 mm | 0.035 mm | 0.0994 mm | 0.0152 mm | 0.55 mm | 0.1088 mm | 1 | 3.3 | 4.1 | 4.6 | 4.16 | 0 | 0.02 | 구리 레이어 수: | 보드 전체 치수 : | 최소 배선/간격: | 구리 마감: | 카스텔레이티드 패드: | 에지 카드 커넥터: | 6 | 150.0000 mm x 130.0000 mm | 0.0000 mm / 0.0000 mm | ENIG | 아니오 | 보드 두께: | 최소 홀 직경: | 임피던스 제어: | 도금 된 보드 가장자리: | 1.5994 mm | 0.3000 mm | 예 | 레이어 이름 | 형식 | 재료 | 두께 (mm) | 컬러 | εR | 손실 접선 | 기판 특성
